# Altium PCB RFFE.PcbDoc (part 2 of 7)
Units mm, origin at the board's own origin, x right, y up, seen from the top; angles counter-clockwise.
Board outline 301.13 x 195.92 mm, 10 copper layers (RFsignal Top, Ground RF signal, Supply, SupplyGND, Digital signal, DigitalGND, CallTone RF, Ground Calltone, Ground RF signal (Plane6), RFsignal Bottom), stack 1.907 mm thick; 558 components, 369 nets, 2153 pads, 4580 vias.
Unrouted connection lines stored in the file: 1.
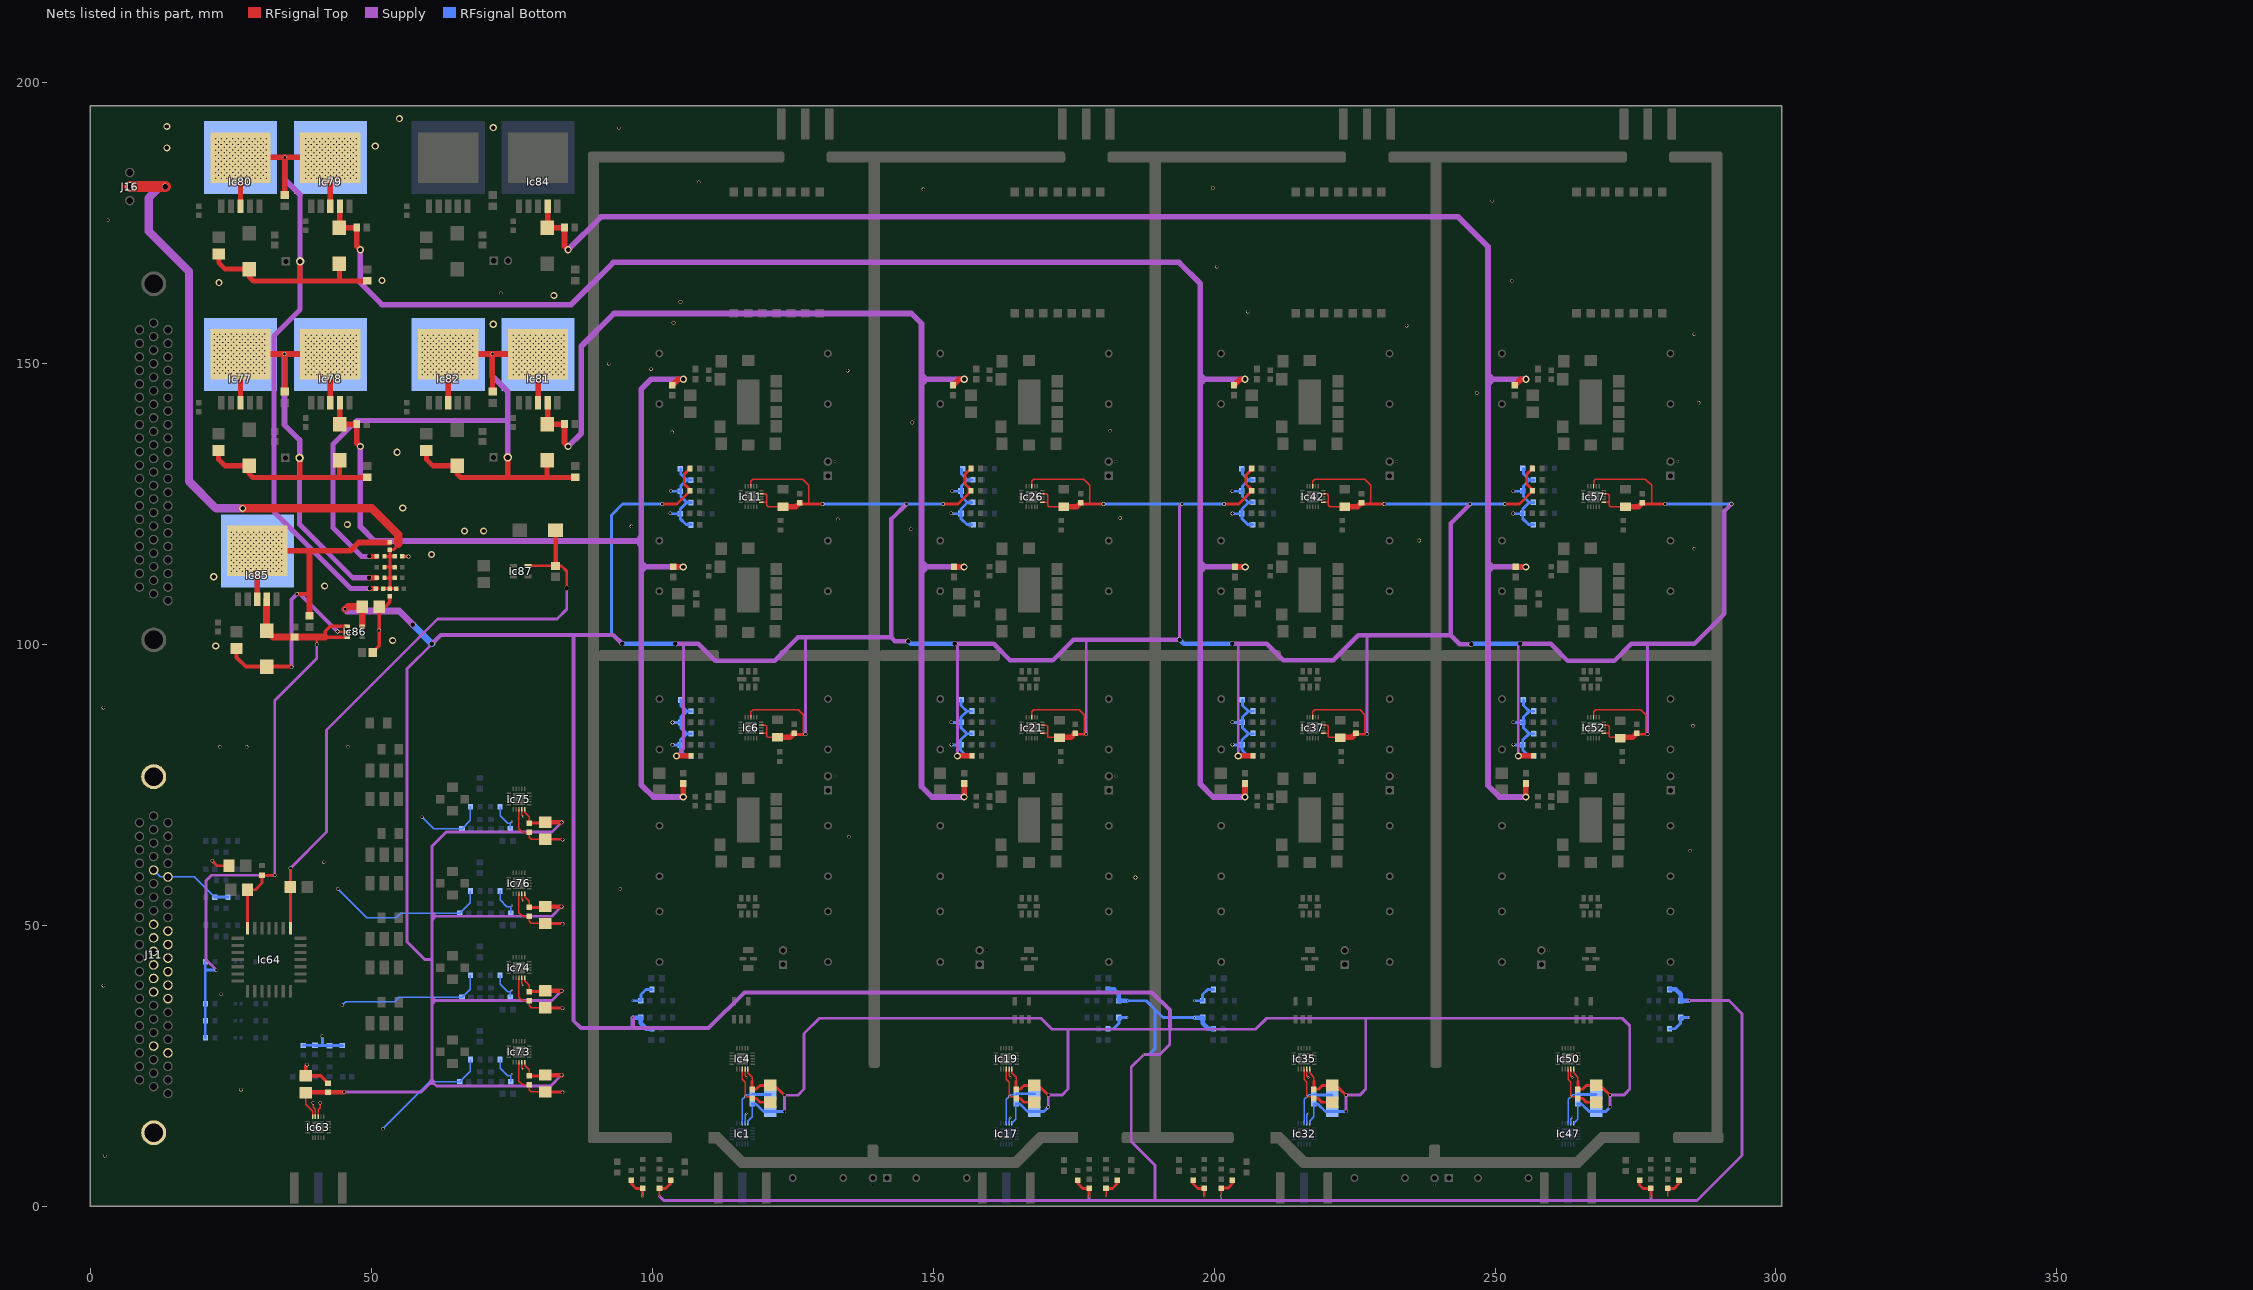
[diagram p10: the nets of this part, all layers, seen from the top]

## Part data
C1 C2 C3 C5 C7 C20 C21 C22 C23 C24 C26 C28 C41 C42 C43 C44 C45 C47 C49 C62 C63 C64 C65 C66 C68 C70 C82 C84 C94 C104 C105 C106 C107: "CAP CER 100PF 50V 5% NP0 0603"
C4 C6 C25 C27 C46 C48 C67 C69: library part GRM31C5C1E104JA01L, "CAP CER 0.1UF 25V 5% NP0 1206"
C8 C9 C10 C11 C12 C13 C14 C15 C16 C17 C29 C30 C31 C32 C33 C34 C35 C36 C37 C38 C50 C51 C52 C53 C54 C55 C56 C57 C58 C59 C72 C73 C74 C75 C76 C77 C78 C79 C80 C81 C87 C88 C89 C90 C91 C92 C96 C97 C98 C99 C100 C101 C102 C103: "CAP CER 47PF 50V 5% NP0 0603"
C18 C19 C39 C40 C60 C61 C71 C83 C85 C86 C93 C95 C108 C109 C110 C111 C131 C133 C135 C137 C138 C141 C142 C143 C147 C149 C150 C154: library part T495B475K016ZTE800, "CAP TANT 4.7UF 16V 10% 1411"
C112 C113 C114 C115 C118 C119 C120 C121 C127 C129: library part T495D336K016ATE150, "CAP TANT 33UF 16V 10% 2917"
C116 C117 C122 C123 C124 C125 C128: library part T520B106M016ATE100, "CAP TANT 10UF 16V 20% 1411"
C126 C130: library part C2012C0G1H103J/0.60, "CAP CER 10000PF 50V 5% NP0 0805"
C132 C134 C136 C139 C140 C144 C145 C146 C148 C151 C152 C153: "CAP CER 1000PF 50V 5% NP0 0603"
D1 D2 D3 D4: "DIODE SCHOTTKY SS 30V 100MA 2VMN"
Ic1 Ic4 Ic17 Ic19 Ic32 Ic35 Ic47 Ic50 Ic63 Ic73 Ic74 Ic75 Ic76: library part Minicircuits-HSWA2-30DR+, "Absoptive RF Switch SPDT"
Ic2 Ic14 Ic15 Ic16 Ic29 Ic30 Ic31 Ic33 Ic45 Ic46 Ic48 Ic60 Ic61 Ic62: library part PPG101A1RD
Ic3 Ic18 Ic34 Ic49: library part Minicircuits-SBTC-2-10L, "Power Splitter 2 way"
Ic5 Ic7 Ic8 Ic20 Ic22 Ic23 Ic36 Ic38 Ic39 Ic51 Ic53 Ic54: library part Minicircuits-TAMP-72LN+, "LNA 20 dB Low Noise Figure"
Ic6 Ic11 Ic21 Ic26 Ic37 Ic42 Ic52 Ic57: library part Minicircuits-DAT-31R5-SP+, "Serial Digital Step Attenuator 31.5 step:0.5dB"
Ic9 Ic10 Ic24 Ic25 Ic40 Ic41 Ic55 Ic56: library part TST_TA1114A, "Saw Filter 503.5MHz"
Ic12 Ic27 Ic43 Ic58: library part Minicircuits-LFCN-530+, "Low Pass Filter 3dB@530MHz"
Ic13 Ic28 Ic44 Ic59: library part Minicircuits-BPF-C495+, "Band Pass Filter FC495MHz 3dB@50MHz"
Ic64: library part Minicircuits-GSWA-4-30DR, "SP4T Absorptive GaAs Switch"
Ic65 Ic66 Ic67 Ic68: library part Minicircuits-ADC-10-4, "Coupler 10 dB"
Ic69: library part Minicircuits-PAT-1+, "Fixed Attenuator 1 dB"
Ic70: library part Minicircuits-PAT-0+, "Fixed Attenuator 0 dB"
Ic71: library part Minicircuits-PAT-2+, "Fixed Attenuator 2 dB"
Ic72: library part Minicircuits-PAT-3+, "Fixed Attenuator 3 dB"
Ic77 Ic78 Ic79 Ic80 Ic81 Ic82 Ic83 Ic84 Ic85: library part LT1764AEQ#PBF
Ic86: "IC LDO REG HI-PSRR 3V SOT23-5"
Ic87: "IC LDO REG NEG LOWNOISE TSOT23-5"
J1 J2 J3 J4 J5 J6 J7 J8 J9: library part 132289RP, "CONN RCPT BLKHD SMA REV POL PCB"
J10 J11: library part 5749639-1, "CONN D-SUB PLUG R/A 62POS 30GOLD"
J12 J13 J14 J15: library part 4-103321-4, "CONN HEADR BRKWAY .100 2POS STR"
J16: "CONN TERM BLK HDR 2.5MM 3POS"
L1 L2 L3 L4 L5 L6 L7 L8 L9 L10 L11 L12: "FERRITE CHIP 600 OHM 800MA 0603"
R1 R2 R3 R4 R5 R6 R7 R8 R9 R10 R11 R12 R13 R14 R37 R38 R39 R40 R41 R42 R45 R46 R47 R48 R51 R52 R53 R54 R55 R56 R57 R58 R59 R60 R61 R62 R63 R64 R84 R85 R86 R87 R88 R89 R95 R96 R97 R98 R99 R100 R101 R102 R103 R104 R105 R106 R107 R108 R109 R110 R111 R112 R135 R136 R137 R138 R139 R140 R143 R144 R145 R146 R149 R150 R151 R152 R153 R154 R155 R156 R157 R158 R159 R160 R161 R162 R184 R185 R186 R187 R188 R189 R193 R194 R195 R196 R201 R202 R203 R205 R213 R214 R215 R216 R217 R218 R241 R242 R243 R244 R245 R246 R247 R248: "RES 10K OHM 1/10W 5% 0603 SMD"
R15 R16 R17 R25 R26 R34 R35 R36 R43 R44 R49 R50 R68 R69 R70 R72 R73 R90 R91 R92 R93 R94 R115 R116 R117 R120 R121 R132 R133 R134 R141 R142 R147 R148 R167 R168 R169 R170 R171 R172 R173 R190 R191 R192: "RES 46.4 OHM 1% 50PPM 1/2W"
R18 R19 R20 R21 R65 R66 R67 R113 R114 R118 R119 R163 R164 R165 R166 R225 R226 R227 R228 R229 R230 R231 R232: library part ERJ-3GEY0R00V, "RES 0.0 OHM 1/10W 0603 SMD"
R22 R23 R24 R27 R28 R29 R30 R31 R32 R33 R74 R75 R76 R77 R78 R79 R80 R81 R82 R83 R122 R123 R124 R125 R126 R127 R128 R129 R130 R131 R174 R175 R176 R177 R178 R179 R180 R181 R182 R183 R207 R208 R209 R210 R211 R212 R219 R233 R234 R235 R236 R237 R238 R239 R240: "RES 100 OHM 1/10W 5% 0603 SMD"
R71 R204 R206 R249 R250 R251 R252 R261 R262 R263 R264 R273: "RES 0.0 OHM 1/10W 0603 SMD"
R197 R198 R199 R200: "RES 10 OHM 1/10W 5% 0603 SMD"
R220 R221 R222 R223 R224: library part CHF1206CNT500LW, "RES 50 OHM 20W 5% 1206 SMD"
R253 R254 R255 R256 R265 R266 R267 R268 R274: library part ERA-6AEB472V, "RES 4.7K OHM 1/8W .1% 0805 SMD"
R257 R259 R269 R271 R275: library part ERA-6AEB102V, "RES 1.0K OHM 1/8W .1% 0805 SMD"
R258 R260 R270 R272: library part ERA-6AEB152V, "RES 1.5K OHM 1/8W .1% 0805 SMD"

## Free pads (board coordinates)
  rrect50% 2x176 smd: 0(89.5,99.52) 0(289.5,99.26)
  rrect50% 15x2 smd: 0(96,12.195) 0(196,12.195)
  rrect50% 21.5x2 smd: 0(101.125,98) 0(151.125,98) 0(201.125,98) 0(251.125,98)
  rrect50% 35x2 smd: 0(106,186.75) 0(156,186.75) 0(206,186.75) 0(256,186.75)
  rect 2x2 smd: 0(111.01,12.16) 0(211.01,12.16)
  rect 7x2 smd rot 135: 0(113.775,9.975) 0(213.775,9.975)
  rect 25x2 smd: 0(128.14,7.75) 0(152.5,7.75) 0(228.14,7.75) 0(252.5,7.75)
  rrect50% 18x2 smd: 0(131.5,98) 0(181.5,98) 0(231.5,98) 0(281.5,98)
  rrect50% 9.5x2 smd: 0(135.75,186.75) 0(185.75,186.75) 0(235.75,186.75) 0(285.75,186.75)
  rrect50% 2x4 smd: 0(139.25,9) 0(239.25,9)
  rrect50% 2x162 smd mask+0.102: 0(139.5,105.6) 0(239.5,105.6)
  rect 7x2 smd rot 45: 0(166.87,9.975) 0(266.87,9.975)
  rect 7x2 smd: 0(172.235,12.195) 0(272.235,12.195)
  rrect50% 7x2 smd: 0(186.99,12.195)
  rect 2x176 smd: 0(189.5,99.52)
  rrect50% 9x2 smd: 0(286.19,12.195)
  rect 13x13 smd far side: ""(26.65,151.65) ""(26.65,186.65) ""(29.65,116.65) ""(42.65,151.65) ""(42.65,186.65) ""(63.65,151.65) ""(63.65,186.65) ""(79.65,151.65) ""(79.65,186.65)

## Via types
v1: diameter 0.35, hole 0.254, RFsignal Top to RFsignal Bottom, 1882 vias
v2: diameter 0.635, hole 0.508, RFsignal Top to RFsignal Bottom, 1038 vias
v3: diameter 0.33, hole 0.254, RFsignal Top to RFsignal Bottom, 963 vias
v4: diameter 0.381, hole 0.254, RFsignal Top to RFsignal Bottom, 596 vias
v5: diameter 1.27, hole 0.762, RFsignal Top to RFsignal Bottom, 41 vias
v6: diameter 3.9, hole 2.65, RFsignal Top to RFsignal Bottom, 20 vias
v7: diameter 0.85, hole 0.8, RFsignal Top to RFsignal Bottom, 15 vias
v8: diameter 0.635, hole 0.508, RFsignal Top to RFsignal Bottom, tented bottom, 9 vias
v9: diameter 0.6, hole 0.508, RFsignal Top to RFsignal Bottom, 8 vias
v10: diameter 5, hole 3.5, RFsignal Top to RFsignal Bottom, 4 vias
v11: diameter 1.1, hole 1, RFsignal Top to RFsignal Bottom, 2 vias
v12: diameter 1.27, hole 0.762, RFsignal Top to RFsignal Bottom, tented top, 1 vias
v13: diameter 0.85, hole 0.8, RFsignal Top to RFsignal Bottom, tented top, 1 vias

## Nets (pads, with @x,y where several pads share a name; then routed paths per layer and width w, separated by ;. In a path a pad name is that pad's centre, name@x,y a point inside that pad or via, vN(x,y) a via of type N, cw(c..) or ccw(c..) an arc to the next point about the centre after c; other vN are vias at no path point)
3VGND: C18.2 C19.2 C20.2 C21.2 C39.2 C40.2 C41.2 C42.2 C60.2 C61.2 C62.2 C63.2 C71.2 C82.2 C83.2 C84.2 C93.2 C94.2 C104.2 C105.2 C106.2 C107.1 C108.2 C109.2 C110.2 C111.2 C125.2 C130.2 Ic1.18 Ic4.18 Ic17.18 Ic19.18 Ic32.18 Ic35.18 Ic47.18 Ic50.18 Ic63.18 Ic73.18 Ic74.18 Ic75.18 Ic76.18 Jmp7.1 | length 148.3
  RFsignal Top w0.254: Ic63.18@40.498,15.895 40.498,17.148 40.85,17.5 v2(40.85,18.4) ; Ic73.18@76.24,25.625 76.24,22.21 76.87,21.58 C107.1@78.04,21.58 78.04,20.716 78.426,20.33 C111.2@80.94,20.33 ; Ic74.18@76.24,40.625 76.24,37.21 76.87,36.58 C105.2@78.04,36.58 78.04,35.716 78.426,35.33 C109.2@80.94,35.33 ; Ic76.18@76.24,55.625 76.24,52.21 76.87,51.58 C106.2@78.04,51.58 78.04,50.716 78.426,50.33 C110.2@80.94,50.33 ; Ic75.18@76.24,70.625 76.24,67.21 76.87,66.58 C104.2@78.04,66.58 ; C104.2@78.04,66.57 78.04,65.706 78.426,65.32 C108.2@80.94,65.32 ; Ic4.18@116,24.405 116,22.55 116.5,22.05 v3(116.5,19.5) 117.45,19.5 C21.2@117.75,19.2 ; Ic19.18@163,24.405 163,22.55 163.5,22.05 v3(163.5,19.5) C42.2@164.45,19.5 ; Ic35.18@216,24.405 216,22.55 216.5,22.05 v3(216.5,19.5) C63.2@217.45,19.5 ; Ic50.18@263,24.405 263,22.55 263.5,22.05 v3(263.5,19.5) C84.2@264.45,19.5
  RFsignal Top w0.508: C111.2@80.94,20.33 v2@84,20.33 ; C109.2@80.94,35.25 v2(84,35.25) ; C110.2@80.94,50.33 84,50.33 v2(84,50.25) ; C108.2@80.94,65.32 84,65.32 v2(84,65.25) ; C21.2@117.75,19.2 118.45,19.2 119.15,18.5 C19.2@121,18.5 ; C42.2@164.75,19.2 165.45,19.2 166.15,18.5 C40.2@168,18.5 ; C63.2@217.75,19.2 218.45,19.2 219.15,18.5 C61.2@221,18.5 ; C84.2@264.75,19.2 265.55,19.2 266.25,18.5 C83.2@268,18.5
  RFsignal Top w0.6: v2(38.5,25.2) 38.25,24.95 C93.2@38.25,23.2 40.95,23.2 C94.2@42.25,21.9 ; C130.2@50.2,98.6 51.35,99.75 v2(51.35,102.5) C125.2@51.35,106.7 52.4,106.7 53.25,107.55 Jmp7.1@53.25,108.6
  RFsignal Bottom w0.254: Ic1.18@116,14.745 116,19 v3(116.5,19.5) 116.8,19.8 C20.2@117.75,19.8 ; Ic17.18@163,14.745 163,19 v3(163.5,19.5) 163.8,19.8 C41.2@164.75,19.8 ; Ic32.18@216,14.745 216,19 v3(216.5,19.5) 216.8,19.8 C62.2@217.75,19.8 ; Ic47.18@263,14.745 263,19 v3(263.5,19.5) 263.8,19.8 C82.2@264.75,19.8
  RFsignal Bottom w0.508: C20.2@117.8,19.85 C18.2@121,19.85 ; C41.2@164.75,19.8 164.95,20 C39.2@168,20 ; C62.2@217.75,19.8 C60.2@220.95,19.8 ; C82.2@264.8,19.85 C71.2@268,19.85
  other v2: 84,20.25
  other v5: 22.25,99.7 53.75,100.7 41.65,110.4 21.913,112.049 60.65,116 66.55,120.2 69.95,120.2 45.683,121.328 55.55,124.3 54.55,134.2 71.65,157 82.45,162.1 22.85,164.4 51.85,164.8 13.55,188.4 50.65,188.7 71.65,192 13.55,192.2 54.95,193.6
5VGND: C128.2 C129.2 Ic85.3 Ic85.6 Ic86.2 Jmp3.1 pad.@29.65,116.65 R275.2 | length 83.5
  RFsignal Top w0.508: v2@44,102.25 Ic86.2@45.65,102.25
  RFsignal Top w0.7: C128.2@25.95,99.25 25.95,97.7 27.6,96.05 C129.2@31.3,96.05 v2@35.7,96.05 ; v2(36.75,109) 38.95,109
  RFsignal Top w1: Ic85.3@29.65,108 Ic85.6@29.65,116.65 46.2,116.65 47.7,118.15 Jmp3.1@53.2,118.15 ; R275.2@38.95,105.1 38.95,116.6
  Supply w0.7: v2(35.75,96) 35.75,108 v2(36.75,109) 37.25,109 v2(43.95,102.3)
  other v1: 25,113 26,113 27,113 28,113.013 29,113 30,113 31,113 32,113 33,113 34,113.013 25.5,113.5 26.5,113.5 27.5,113.5 29.5,113.5 30.5,113.5 31.5,113.5 32.5,113.5 33.5,113.5 28.5,113.513 25,114 26,114 27,114 29,114 30,114 31,114 32,114 33,114 28,114.013 34,114.013 25.5,114.5 26.5,114.5 27.5,114.5 28.5,114.513 29.5,114.5 30.5,114.5 31.5,114.5 32.5,114.5 33.5,114.5 25,115 26,115 27,115 28,115.013 29,115 30,115 31,115 32,115 33,115 34,115.013 25.5,115.5 26.5,115.5 27.5,115.5 29.5,115.5 30.5,115.5 31.5,115.5 32.5,115.5 33.5,115.5 28.5,115.513 25,116 26,116 27,116 28,116.013 29,116 30,116 31,116 32,116 33,116 34,116.013 25.5,116.5 26.5,116.5 27.5,116.5 28.5,116.513 29.5,116.5 30.5,116.5 31.5,116.5 32.5,116.5 33.5,116.5 25,117 26,117 27,117 29,117 30,117 31,117 32,117 33,117 28,117.013 34,117.013 25.5,117.5 26.5,117.5 27.5,117.5 28.5,117.513 29.5,117.5 30.5,117.5 31.5,117.5 32.5,117.5 33.5,117.5 25,118 26,118 27,118 28,118.013 29,118 30,118 31,118 32,118 33,118 34,118.013 25.5,118.5 26.5,118.5 27.5,118.5 29.5,118.5 30.5,118.5 31.5,118.5 32.5,118.5 33.5,118.5 28.5,118.513 25,119 26,119 27,119 29,119 30,119 31,119 32,119 33,119 28,119.013 34,119.013 25.5,119.5 26.5,119.5 27.5,119.5 28.5,119.513 29.5,119.5 30.5,119.5 31.5,119.5 32.5,119.5 33.5,119.5 25,120 26,120 27,120 29,120 30,120 31,120 32,120 33,120 28,120.013 34,120.013
+3V: C4.1 C5.1 C6.1 C7.1 C14.1 C16.1 C18.1 C19.1 C20.1 C21.1 C25.1 C26.1 C27.1 C28.1 C36.1 C38.1 C39.1 C40.1 C41.1 C42.1 C46.1 C47.1 C48.1 C49.1 C56.1 C58.1 C60.1 C61.1 C62.1 C63.1 C67.1 C68.1 C69.1 C70.1 C71.1 C76.1 C81.1 C82.1 C83.1 C84.1 C93.1 C94.1 C104.1 C105.1 C106.1 C107.2 C108.1 C109.1 C110.1 C111.1 C125.1 Ic1.20 Ic4.20 Ic6.6 Ic6.9 Ic6.13 Ic11.6 Ic11.9 Ic11.13 Ic17.20 Ic19.20 Ic21.6 Ic21.9 Ic21.13 Ic26.6 Ic26.9 Ic26.13 Ic32.20 Ic35.20 Ic37.6 Ic37.9 Ic37.13 Ic42.6 Ic42.9 Ic42.13 Ic47.20 Ic50.20 Ic52.6 Ic52.9 Ic52.13 Ic57.6 Ic57.9 Ic57.13 Ic63.20 Ic73.20 Ic74.20 Ic75.20 Ic76.20 Ic86.5 R6.1 R10.1 R11.1 R45.1 R47.1 R56.1 R60.1 R61.1 R96.1 R98.1 R104.1 R108.1 R109.1 R143.1 R145.1 R154.1 R158.1 R159.1 R194.2 R196.2 | length 1976
  RFsignal Top w0.254: C93.1@38.25,20.2 38.25,18.119 39.498,16.871 Ic63.20@39.498,15.895 ; Ic73.20@77.24,25.625 77.24,25.11 78.04,24.31 C107.2@78.04,23.18 ; Ic74.20@77.24,40.625 77.24,40.11 78.04,39.31 C105.1@78.04,38.18 ; Ic76.20@77.24,55.625 77.24,55.11 78.04,54.31 C106.1@78.04,53.18 ; Ic75.20@77.24,70.625 77.24,70.11 78.04,69.31 C104.1@78.04,68.18 ; v3(101.25,1.75) C14.1@101.25,3.15 ; Ic4.20@117,24.405 117,23.733 117.75,22.983 117.75,22.25 ; Ic6.13@117.54,86.995 117.54,87.988 117.921,88.369 125.981,88.369 126.85,87.5 126.85,84.035 ; Ic11.13@117.54,128.165 117.54,129.042 117.868,129.37 126.791,129.37 127.865,128.296 127.865,125.004 ; Ic6.6@119.385,84.15 120.35,84.15 ; Ic6.9@119.385,85.65 120.1,85.65 120.35,85.4 120.35,84.15 ; Ic11.6@119.385,125.32 120.35,125.32 ; Ic11.9@119.385,126.82 120.1,126.82 120.35,126.57 120.35,125.32 ; C4.1@122.25,83.45 120.5,83.45 120.35,83.6 120.35,84.15 ; C6.1@123.229,124.524 120.596,124.524 120.35,124.77 120.35,125.32 ; Ic19.20@164,24.405 164,23.733 164.75,22.983 164.75,22.25 ; Ic21.13@167.54,86.995 167.54,87.988 167.921,88.369 175.981,88.369 176.85,87.5 176.85,84.03 ; Ic26.13@167.54,128.165 167.54,129.042 167.868,129.37 176.791,129.37 177.865,128.296 177.865,125.004 ; Ic21.6@169.385,84.15 170.35,84.15 ; Ic21.9@169.385,85.65 170.1,85.65 170.35,85.4 170.35,84.15 ; Ic26.6@169.385,125.32 170.35,125.32 ; Ic26.9@169.385,126.82 170.1,126.82 170.35,126.57 170.35,125.32 ; C25.1@172.25,83.45 170.5,83.45 170.35,83.6 170.35,84.15 ; C27.1@173.229,124.524 170.596,124.524 170.35,124.77 170.35,125.32 ; v3(201.25,1.75) C56.1@201.25,3.15 ; Ic35.20@217,24.405 217,23.733 217.75,22.983 217.75,22.25 ; Ic37.13@217.54,86.995 217.54,87.988 217.921,88.369 225.981,88.369 226.85,87.5 226.85,84.04 ; Ic42.13@217.54,128.165 217.54,129.042 217.868,129.37 226.791,129.37 227.865,128.296 227.865,125.014 ; Ic37.6@219.385,84.15 220.35,84.15 ; Ic37.9@219.385,85.65 220.1,85.65 220.35,85.4 220.35,84.15 ; Ic42.6@219.385,125.32 220.35,125.32 ; Ic42.9@219.385,126.82 220.1,126.82 220.35,126.57 220.35,125.32 ; C46.1@222.25,83.45 220.5,83.45 220.35,83.6 220.35,84.15 ; C48.1@223.229,124.524 220.596,124.524 220.35,124.77 220.35,125.32 ; Ic50.20@264,24.405 264,23.733 264.75,22.983 264.75,22.25 ; Ic52.13@267.54,86.995 267.54,87.988 267.921,88.369 275.981,88.369 276.85,87.5 v2@276.85,84.05 ; Ic57.13@267.54,128.165 267.54,129.042 267.868,129.37 276.791,129.37 277.865,128.296 277.865,125.022 ; Ic52.6@269.385,84.15 270.35,84.15 ; Ic52.9@269.385,85.65 270.1,85.65 270.35,85.4 270.35,84.15 ; Ic57.6@269.385,125.32 270.35,125.32 ; Ic57.9@269.385,126.82 270.1,126.82 270.35,126.57 270.35,125.32 ; C67.1@272.25,83.45 270.5,83.45 270.35,83.6 270.35,84.15 ; C69.1@273.229,124.524 270.596,124.524 270.35,124.77 270.35,125.32
  RFsignal Top w0.508: C107.2@78.04,23.18 80.79,23.18 C111.1@80.94,23.33 ; C105.1@78.04,38.18 C109.1@80.79,38.18 ; C106.1@78.04,53.18 C110.1@80.79,53.18 ; C104.1@78.04,68.18 C108.1@80.79,68.18 ; C14.1@101.25,3.15 102.35,3.15 103.25,4.05 R45.1@103.25,4.6 ; v2(101.75,125) 104.37,125 R6.1@106.69,127.32 106.69,127.544 105.656,128.578 105.656,130.286 R10.1@106.69,131.32 ; 117.75,22.25 117.75,20.8 118.45,20.8 119.15,21.5 121.75,21.5 v9(123.5,19.75) ; C5.1@125.43,83.99 v2@127.25,83.99 ; C7.1@126.23,125.2 126.43,125 v2(130.3,125) ; v2(151.75,125) 154.37,125 R56.1@156.69,127.32 156.69,127.544 155.656,128.578 155.656,130.286 R60.1@156.69,131.32 ; 164.75,22.25 164.75,20.8 165.45,20.8 166.15,21.5 C40.1@168,21.5 ; C40.1@168.75,21.5 v9(170.5,19.75) ; C26.1@175.4,84.01 v2(177.22,84.01) ; R96.1@175.75,4.6 175.75,4 176.6,3.15 C36.1@177.75,3.15 v3(177.75,1.75) ; C28.1@176.23,125.2 176.43,125 v2(180.3,125) ; C56.1@201.25,3.15 201.352,3.252 202.5,3.252 203.25,4.002 R143.1@203.25,4.6 ; v2(201.75,125) 204.37,125 R104.1@206.69,127.32 206.69,127.544 205.656,128.578 205.656,130.107 R108.1@206.869,131.32 ; 217.75,22.25 217.75,20.8 218.55,20.8 219.25,21.5 C61.1@221,21.5 ; C61.1@221.75,21.5 v9(223.5,19.75) ; C47.1@225.41,84.01 v2(227.23,84.01) ; C49.1@226.23,125.2 226.43,125 v2(230.3,125) ; v2(251.75,125) 254.37,125 R154.1@256.69,127.32 256.69,127.544 255.656,128.578 255.656,130.286 R158.1@256.69,131.32 ; 264.75,22.25 264.75,20.8 265.55,20.8 266.25,21.5 C83.1@268,21.5 ; C83.1@268.75,21.5 v9(270.5,19.75) ; C68.1@275.34,84.01 v2(277.16,84.01) ; R196.2@275.75,4.6 275.75,3.75 276.35,3.15 C81.1@277.75,3.15 v3(277.75,1.75) ; C70.1@276.23,125.2 276.43,125 v2(280.3,125)
  RFsignal Top w0.8: C93.1@38.35,20.3 v2(45.13,20.3) ; C111.1@80.94,23.33 v2(83.82,23.33) ; C109.1@80.94,38.33 v2(83.82,38.33) ; C110.1@80.94,53.33 v2(83.82,53.33) ; C108.1@80.94,68.32 v2(83.82,68.32)
  RFsignal Top w0.965: C6.1@123.229,124.524 125.554,124.524 C7.1@126.23,125.2 ; C27.1@173.229,124.524 175.554,124.524 C28.1@176.23,125.2 ; C48.1@223.229,124.524 225.554,124.524 C49.1@226.23,125.2 ; C69.1@273.229,124.524 275.554,124.524 C70.1@276.23,125.2
  RFsignal Top w1: v5(104.27,80.13) R11.1@106.82,80.15 ; C4.1@122.25,83.45 124.5,83.45 C5.1@125.25,84.2 ; v5(154.28,80.13) R61.1@156.83,80.15 ; C25.1@172.25,83.45 174.5,83.45 C26.1@175.25,84.2 ; v5(204.28,80.13) R109.1@206.83,80.15 ; C46.1@222.25,83.45 224.5,83.45 C47.1@225.25,84.2 ; v5(254.15,80.13) R159.1@256.7,80.15 ; C67.1@272.25,83.45 274.5,83.45 C68.1@275.25,84.2
  RFsignal Top w1.2: v2(45.25,106.25) 45.75,106.75 C125.1@48.2,106.75 ; Ic86.5@48.35,103.2 C125.1@48.35,106.6
  Supply w0.254: 201.25,1.04 v3(201.25,1.75)
  Supply w0.508: v2(45.13,20.3) 58.85,20.3 60.494,21.944 ; 60.75,22.4 60.75,36.6 ; v7(60.75,100.1) 56.31,95.66 56.31,47.052 59.465,43.897 60.75,43.897 ; 60.897,37.152 cw(c60.4,36.6) 60.9,36.05 ; 60.897,52.152 cw(c60.4,51.6) 60.9,51.05 ; 61.006,21.944 61.55,21.4 81.89,21.4 v2(83.82,23.33) ; v2(83.82,38.33) 82.09,36.6 60.75,36.6 ; v2(83.82,53.33) 82.09,51.6 60.75,51.6 ; v2(83.82,68.32) 82.09,66.59 63.285,66.59 60.75,64.055 60.75,51.6 ; v3(101.25,1.75) 102.02,0.98 285.98,0.98 294,9 294,34.25 291.65,36.6 v3(284.55,36.6) ; v7(104.05,100.1) v7@104.27,99.88 ; v5(104.27,80.13) 105.5,81.36 105.5,100.1 ; v9(123.503,16.85) 123.503,19.747 125.913,19.747 127.003,20.837 127.003,30.711 129.739,33.447 169.153,33.447 171.125,31.475 191.975,31.475 ; v2@127.25,83.99 127.25,101.25 ; v7(153.85,100.1) 154.28,99.67 v5(154.28,80.13) ; v9(170.47,17.6) 170.47,19.72 v9(170.5,19.75) 172.91,19.75 174,20.84 174,31.417 ; v2(177.22,84.01) 177.22,100.82 ; 177.75,1.02 v3(177.75,1.75) ; 189.5,0.99 189.5,7.25 185.25,11.5 185.25,24.75 v3(187.5,27) 190.32,27 192.108,28.788 192.108,31.475 207.375,31.475 209.35,33.45 227,33.45 ; v7(193.85,100.85) 193.85,124.56 v2(194.26,124.97) ; v5(204.28,80.13) 204.28,100.07 ; v9(223.5,16.85) v9(223.5,19.75) 225.91,19.75 227,20.84 227,33.45 ; v2(227.23,84.01) 227.23,101.609 ; v5(254.15,80.13) 254.15,99.75 v7(254.5,100.1) ; v9(270.47,17.6) v9@270.47,19.72 ; v9(270.5,19.75) 272.91,19.75 274,20.84 274,32.1 272.65,33.45 227,33.45 ; v2(277.16,84.01) 277.16,100.09 ; 277.75,1.03 v3(277.75,1.75) ; 60.75,36.6 60.75,43.897 ; 60.75,43.897 60.75,51.6 ; 61.05,22.1 ccw(c60.75,22.1) 61.05,22.1
  Supply w0.7: 85.93,101.593 85.93,32.994 87.25,31.674 109.979,31.674 116.365,38.06 188.971,38.06 192.108,34.923 192.108,31.475